# Altium PCB shield_display_4.3.PcbDoc (part 2 of 2)
Units mm, origin at the board's own origin, x right, y up, seen from the top; angles counter-clockwise.
Board outline 144.2 x 84.2 mm, 2 copper layers (Top Layer, Bottom Layer), stack 1.57 mm thick; 53 components, 150 nets, 337 pads, 233 vias.
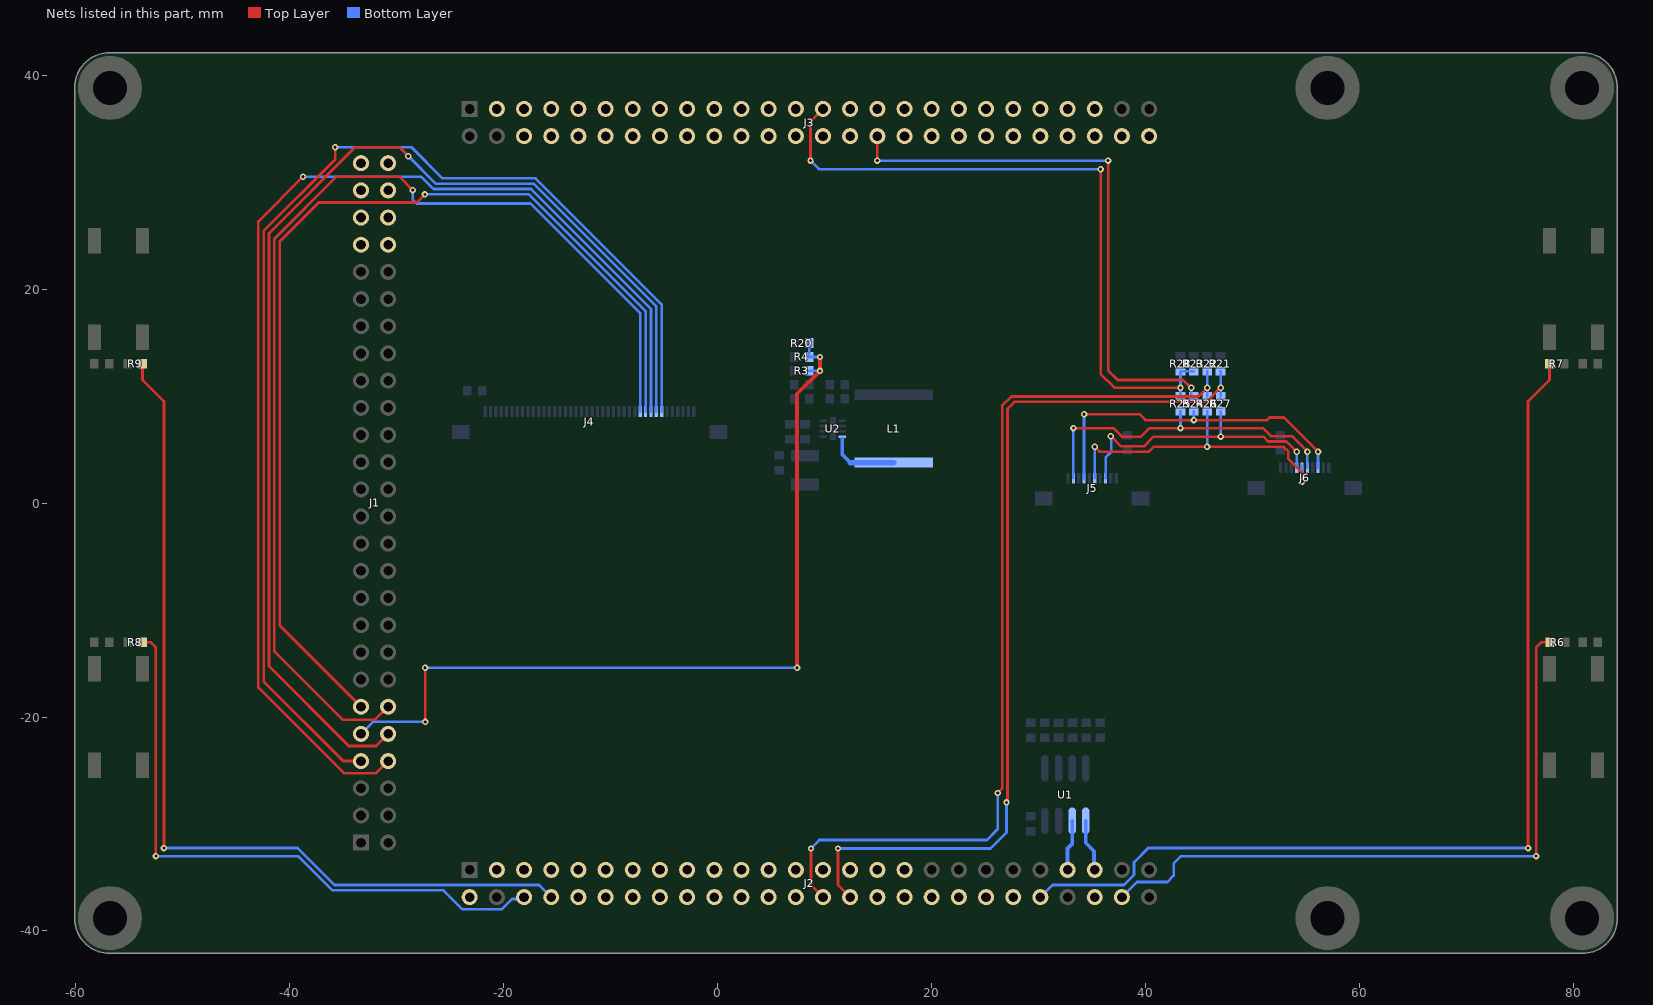
[diagram p2: the nets of this part, all layers, seen from the top]

## Via types
v1: diameter 0.6, hole 0.3, Top Layer to Bottom Layer, 180 vias
v2: diameter 0.35, hole 0.25, Top Layer to Bottom Layer, 53 vias

## Nets (pads, with @x,y where several pads share a name; then routed paths per layer and width w, separated by ;. In a path a pad name is that pad's centre, name@x,y a point inside that pad or via, vN(x,y) a via of type N, cw(c..) or ccw(c..) an arc to the next point about the centre after c; other vN are vias at no path point) (continued)
PA24_LCDPWM_PCK0_H5: J1.9 R3.2 R4.1 R20.1 | length 79.6
  Top Layer w0.25: v1(-27.336,-15.4) -27.336,-20.449 v1(-27.33,-20.455)
  Top Layer w0.35: v1(7.425,-15.4) 7.425,10.209 v1(9.567,12.35) v1(9.567,13.65)
  Bottom Layer w0.25: J1.9@-33.41,-21.5 J1.9@-33.33,-21.58 -32.205,-20.455 v1(-27.33,-20.455) ; v1(-27.336,-15.4) v1(7.425,-15.4) ; R3.2@8.567,12.35 v1(9.567,12.35) ; R20.1@8.567,14.95 R4.1@8.567,13.65 v1(9.567,13.65)
PA25_LCDDISP_TD0_F3: J1.11 J4.10 | length 96.6
  Top Layer w0.25: J1.11@-33.33,-19.04 -40.925,-11.445 -40.925,24.45 -37.28,28.095 -28.105,28.095 v1(-27.355,28.845)
  Bottom Layer w0.25: v1(-27.355,28.845) -17.638,28.845 -6.726,17.933 J4.10@-6.726,8.548
PA26_LCDVSYNC_PWMH0_SP1_NPCS1_E3: J1.10 J4.8 | length 110.6
  Top Layer w0.25: J1.10@-30.79,-21.58 -31.915,-22.705 -34.474,-22.705 -41.925,-15.254 -41.925,25.2 -33.875,33.25 -29.753,33.25 v1(-28.915,32.412)
  Bottom Layer w0.25: v1(-28.915,32.412) -26.348,29.845 -17.224,29.845 -5.726,18.347 J4.8@-5.726,8.548
PA27_LCDHSYNC_PWML0_SPI1_NPCS2_H4: J1.8 J4.9 | length 112.6
  Top Layer w0.25: v1(-38.75,30.5) -42.925,26.325 -42.925,-17.239 -34.914,-25.25 -31.92,-25.25 J1.8@-30.79,-24.12
  Bottom Layer w0.25: v1(-38.75,30.5) -27.71,30.5 -26.555,29.345 -17.431,29.345 -6.226,18.14 J4.9@-6.226,8.548
PA28_LCDPCK_PWMH1_SP1_NPCS3_G3: J1.12 J4.11 | length 103.9
  Top Layer w0.25: J1.12@-30.79,-19.04 -32,-20.25 -35.04,-20.25 -41.425,-13.865 -41.425,24.7 -35.625,30.5 -29.75,30.5 v1(-28.5,29.25)
  Bottom Layer w0.25: v1(-28.5,29.25) -28.5,28.354 -28.146,28 -17.5,28 -7.226,17.726 J4.11@-7.226,8.548
PA29_LCDDEN_PWML1_J5: J1.7 J4.7 | length 111.7
  Top Layer w0.25: v1(-35.75,33.25) -35.75,32.082 -42.425,25.407 -42.425,-16.685 -34.99,-24.12 J1.7@-33.33,-24.12
  Bottom Layer w0.25: v1(-35.75,33.25) -28.625,33.25 -25.72,30.345 -17.017,30.345 -5.226,18.555 J4.7@-5.226,8.548 ; J1.7@-33.45,-24 J1.7@-33.33,-24.12
PA30_TWD0_D3: J2.47 U1.5 | length 4.9
  Bottom Layer w0.35: U1.5@34.405,-29.7 34.405,-31.755 35.19,-32.54 35.19,-34.23 J2.47@35.25,-34.29
PA31_TWCK0_J4: J2.45 U1.6 | length 4.8
  Bottom Layer w0.35: J2.45@32.71,-34.29 32.71,-32.29 33.135,-31.865 U1.6@33.135,-29.7
PB1_G0_RXCK_SCK2_ISI_PCK_A2: J2.3
PB3_G0_TXER_CTS2_ISI_VSYNC_C2: J2.6 R8.2 | length 57.9
  Top Layer w0.25: R8.2@-53.8,-13 -53,-13 -52.5,-13.5 v1(-52.5,-33)
  Bottom Layer w0.25: v1(-52.5,-33) -39.207,-33 -36.002,-36.205 -25.625,-36.205 -23.875,-37.955 -20.164,-37.955 -19.215,-37.006 -18.266,-37.006 J2.6@-18.09,-36.83
PB4_G0_CRS_RXD2_ISI_HSYNC_J3: J2.14
PB5_G0_COL_TXD2_PCK2_H2: J2.12
PB10_G0_RX2_PCK2_PWML1_F1: J2.10
PB11_G0_RX3_RTS2_PWMH1_K4: J2.13
PB14_G0_TX2_SPI2_NPCS1_PWMH0_A1: J2.5
PB15_G0_TX3_SPI2_NPCS2_PWML0_E2: J2.7
PB18_SPI1_MISO_K2: J1.45
PB19_SPI1_MOSI_C1: J1.47
PB20_SPI1_SPCK__D1: J1.49
PB21_SPI1_NPCS0_L3: J2.15
PB22_SPI1_NPCS1_G1: J2.9
PB23_SPI1_NPCS2_H1: J1.51
PB24_DRXD_TDI_E1: J2.8 R9.2 | length 84.2
  Top Layer w0.25: R9.2@-53.75,13 -53.75,11.5 -51.75,9.5 v1(-51.75,-32.25)
  Bottom Layer w0.25: v1(-51.75,-32.25) -39.25,-32.25 -35.795,-35.705 -16.675,-35.705 J2.8@-15.55,-36.83
PB25_DTXD_TDO_J1: J2.11
PB26_PCK0_RK0_PWMH0_M5: J3.45
PB27_SPI1_NPCS3_TK0_PWML0_L2: J2.17
PB28_SPI2_NPCS3_TD0_PWMH1_K1: J2.16
PB29_TWD2_RD0_PWML1_M3: J2.42
PB30_TWCK2_RF0_M4: J2.34
PB31_TF0_L1: J2.18
PC0_SPI0_MISO_PWMH2_ISI_D8: J2.50 R6.2 | length 62
  Top Layer w0.25: v1(76.5,-33) 76.5,-13.5 77,-13 R6.2@77.8,-13
  Bottom Layer w0.25: J2.50@37.79,-36.83 39.205,-35.415 42.035,-35.415 42.625,-34.825 42.625,-33.675 43.3,-33 v1(76.5,-33)
PC1_SPI0_MOSI_PWML2_ISI_D9_P8: J3.43
PC2_SPI0_SPCK_PWMH3_ISI_D10_V5: J2.48
PC3_SPI0_NPCS0_PWML3_ISI_D11_T9: J3.40
PC4_SPI0_NPCS1_MCI0_CK_PCK1_W5: J3.33
PC19_ISI_D0_TK1_U14: J3.32 R24.2 | length 52.7
  Top Layer w0.25: v1(14.93,32) J3.32@14.93,34.29 ; v1(36.5,32) 36.5,12.4 37.4,11.5 43.496,11.5 44.221,10.776 v1(44.266,10.776)
  Bottom Layer w0.25: v1(14.93,32) v1(36.5,32) ; R24.2@44.266,9.976 v1(44.266,10.776)
PC20_ISI_D1_TF1_V11: J3.36
PC21_ISI_D2_TD1_U15: J3.27 R23.2 R25.2 R28.1 | length 63.5
  Top Layer w0.25: v1(8.68,32) 8.68,35.66 J3.27@9.85,36.83 ; v1(35.8,31.2) 35.8,12.076 37.1,10.776 v1(43.266,10.776)
  Bottom Layer w0.25: v1(8.68,32) 9.48,31.2 v1(35.8,31.2) ; R25.2@43.266,9.976 v1(43.266,10.776) R28.1@43.266,12.326 ; R28.1@43.266,12.326 R23.2@44.516,12.326
PC22_ISI_D3_RF1_T15: J3.41
PC23_ISI_D4_RD1_U16: J3.28
PC24_ISI_D5_RK1_PCK1_T16: J3.30
PC25_ISI_D6_TWD3_URXD1_V17: J3.16
PC26_ISI_D7_TWCK3_UTXD1_R16: J3.25
PC27_AD0_SPI0_NPCS1_PWML0_U12: J1.46
PC28_AD1_SPI0_NPCS2_PWML1_T11: J1.48
PC29_AD2_SPI0_NPCS3_PWMFI0_R13: J1.50
PC30_AD3_PWMH0_T12: J1.52
PC31_AD4_PWMH1_T13: J3.31
PD8_PCK0_M1: J2.20
PD9_FIQ_M2: J2.19
PD10_CTS0_N2: J2.23
PD11_RTS0_SPI2_MISO_N3: J2.24
PD12_RXD0_N1: J2.22
PD13_TXD0_SPI2_MOSI_P3: J2.25
PD14_CTS1_P2: J2.33
PD15_RTS1_SPI2_SPCK_N4: J3.47
PD16_RXD1_R2: J2.32
PD17_TXD1_SPI2_NPCS0_R3: J2.31
PD19_P11: J3.35
PD20_T10: J3.48
PD21_P10: J3.39
PD22_U11: J3.38
PD23_R10: J3.42
PD24_U10: J3.37
PD25_R11: J3.34
PD26_U13: J2.38
PD27_T14: J3.46
PD28_SCK0_R1: J2.27
PD29_SCK1_P1: J2.26
PD31_SPI0_NPCS2_PCK1_P5: J3.50
PE0_MCI0_CDB_CTS4_W19: J3.29
PE1_MCI0_DB0_U17: J3.20
PE2_MCI0_DB1_T17: J3.19
PE3_MCI0_DB2_P16: J3.22
PE4_MCI0_DB3_U18: J3.21
PE5_CTS3_R17: J3.18
PE6_TIOA3_V19: J3.13
PE7_TIOB3_PWMFI1_U19: J3.12
PE8_TCLK3_PWML3_T19: J3.24
PE9_TIOA2_T18: J3.11
PE10_TIOB2_N14: J3.44
PE11_TCLK2_R18: J3.7
PE12_TIOA1_PWMH2_P17: J3.15
PE13_TIOB1_PWML2_P18: J3.9
PE14_TCLK1_PWMH3_N17: J3.14
PE15_SCK3_TIOA0_N18: J3.6
PE16_RXD3_TIOB0_M15: J3.26
PE17_TXD3_TCLK0_N19: J3.5
PE24_RTS3_L19: J3.10
PE25_SCK4_IRQ_M17: J3.8
PE26_RXD4_L15: J3.23
PE27_TXD4_M16: J3.17
PE28_RTS4_L17: J3.3
PE29_DIBP_URXD0_TWD1_V1: J2.28 R22.2 R26.2 | length 85.2
  Top Layer w0.25: v1(8.725,-32.29) 8.725,-35.705 J2.28@9.85,-36.83 ; v1(26.18,-27.104) 26.6,-26.683 26.6,9.1 27.45,9.95 44.941,9.95 v1(45.766,10.776)
  Bottom Layer w0.25: v1(8.725,-32.29) 9.515,-31.5 25.17,-31.5 26.18,-30.49 v1(26.18,-27.104) ; R22.2@45.75,12.326 45.766,12.31 v1(45.766,10.776) R26.2@45.766,9.976
PE30_DIBN_UTXD0_TWCK1_U2: J2.30 R21.2 R27.2 | length 84.1
  Top Layer w0.25: v1(11.25,-32.29) 11.25,-35.69 J2.30@12.39,-36.83 ; v1(27,-27.986) 27.067,-27.919 27.067,-27.697 27.1,-27.664 27.1,8.807 27.743,9.45 45.691,9.45 v1(47.016,10.776)
  Bottom Layer w0.25: v1(11.25,-32.29) 25.51,-32.29 27,-30.8 v1(27,-27.986) ; R21.2@47,12.326 47.016,12.31 47.016,11.576 v1(47.016,10.776) R27.2@47.016,9.976
PE31_ADTRG_L4: J2.21
PIOBU0_U3: J2.40
PIOBU1: J3.52
RESET: J2.44 R7.2 | length 94.2
  Top Layer w0.25: v1(75.75,-32.25) 75.75,9.5 77.75,11.5 R7.2@77.75,13
  Bottom Layer w0.25: J2.44@30.17,-36.83 31.295,-35.705 37.966,-35.705 38.915,-34.756 38.915,-33.583 40.248,-32.25 v1(75.75,-32.25)
SHDN_T2: J2.29
SW: L1.1 U2.4 | length 6.7
  Bottom Layer w0.35: 11.642,6.05 11.642,4.525 12.392,3.775
  Bottom Layer w0.5: 12.392,3.775 L1.1@16.467,3.775
TOUCH_INT_PC9: J5.9 J6.5 R25.1 | length 31.2
  Top Layer w0.25: v1(33.25,7) 37,7 37.791,6.209 39.573,6.209 40.364,7 v1(43.266,7) 50.959,7 51.709,6.25 53.669,6.25 v1(55.12,4.799)
  Bottom Layer w0.25: J5.9@33.25,2.307 v1(33.25,7) ; v1(43.266,7) R25.1@43.266,8.576 ; J6.5@55.12,3.3 v1(55.12,4.799)
TOUCH_RESET: J5.7 J6.3 R24.1 | length 31.8
  Top Layer w0.25: v1(34.25,8.3) 39.45,8.3 40,7.75 v1(44.516,7.75) 51.35,7.75 51.6,8 52.919,8 v1(56.12,4.799)
  Bottom Layer w0.25: J5.7@34.25,2.307 v1(34.25,8.3) ; v1(44.516,7.75) R24.1@44.516,8.576 ; J6.3@56.12,3.3 v1(56.12,4.799)
TOUCH_SCL_PC7: J5.3 J6.7 R27.1 | length 26.8
  Top Layer w0.25: v1(36.75,6.25) 37.701,5.299 39.84,5.299 40.75,6.209 v1(47.016,6.209) 51,6.209 51.459,5.75 53.169,5.75 v1(54.12,4.799)
  Bottom Layer w0.25: J5.3@36.25,2.307 36.275,2.332 36.275,4.275 36.791,4.791 36.791,6.209 v1(36.75,6.25) ; v1(47.016,6.209) R27.1@47.016,8.576 ; J6.7@54.12,3.3 v1(54.12,4.799)
TOUCH_SDA_PC6: J5.5 J6.6 R26.1 | length 29.7
  Top Layer w0.25: v1(35.25,5.25) 35.701,4.799 40.299,4.799 40.75,5.25 v1(45.75,5.25) 52.892,5.25 53.343,4.799 53.343,4.124 54.62,2.847 v1(54.62,2)
  Bottom Layer w0.25: J5.5@35.25,2.307 v1(35.25,5.25) ; v1(45.75,5.25) R26.1@45.75,8.576 ; v1(54.62,2) J6.6@54.62,3.3 J6.6@54.62,3.499
VBATT: J2.2
WKUP_V3: J2.36
pads on no net: J1.2 J1.3 J1.5 J2.4 J2.49 J2.51 J3.2 J3.4 J4.1 J4.2 J4.3 J4.4 J4.6 J5.4 J5.6 J5.8 J6.1 J6.2 U2.3 U2.6

## Polygon pours and split planes (outlines as drawn)
GND on Bottom Layer "GND_BOT" (solid, remove dead copper, pour order 29): -56.8,-42.1 cw(c-56.8,-38.8) -60.1,-38.8 -60.1,38.8 cw(c-56.8,38.8) -56.8,42.1 80.8,42.1 cw(c80.8,38.8) 84.1,38.8 84.1,-38.8 cw(c80.8,-38.8) 80.8,-42.1 80.7,-42.1
SW on Bottom Layer "sw" (hatched 90Degree grid 0.25 track 0.25, remove dead copper, pour order 23): 11.1,6.3 18.95,6.3 21.15,6.3 21.15,1.4 11.1,1.4
GND on Top Layer "GND_TOP" (solid, remove dead copper, pour order 30): -56.8,-42.1 cw(c-56.8,-38.8) -60.1,-38.8 -60.1,38.8 cw(c-56.8,38.8) -56.8,42.1 80.8,42.1 cw(c80.8,38.8) 84.1,38.8 84.1,-38.8 cw(c80.8,-38.8) 80.8,-42.1 80.7,-42.1

## Keep-outs
Keep-Out Layer:
  lines w0.25: 80.7,42.1 -56.8,42.1 ccw(c-56.8,38.8) -60.1,38.8 -60.1,-38.8 ccw(c-56.8,-38.8) -56.8,-42.1 80.8,-42.1 ccw(c80.8,-38.8) 84.1,-38.8 84.1,38.8 ccw(c80.8,38.8) 80.8,42.1

## Silkscreen, mask and mechanical layers (free items; w line width, h text height)
Top Overlay:
  drawing of 16 lines, arcs and shapes, not listed
  text "EVA01 SHIELD" at -52.55,37.65 h5
  text "DISPLAY LCD 4.3''" at -52.55,34.45 h4
  text "develboard" at 78.368,12.5 h7 r270
  text "REV..prj_pcb" at 66.448,-39 h2
Bottom Overlay:
  drawing of 21 lines, arcs and shapes, not listed
  text "EVA01 SHIELD" at 51.5,26.8 h5
  text "DISPLAY LCD 4.3''" at 51.4,22.7 h4
  text "1 - GND / 2 - 3.3V / 3 - SCL / 4 - NC / 5 - SDA / 6 - NC / 7 - RESET / 8 - NC / 9 - INT / 10 - GND" at 21.2,9.7 h1.2 r270
  text "1 - NC / 2 - NC / 3 - RESET / 4 - GND / 5 - INT / 6 - SDA / 7 - SCL / 8 - GND / 9 - GND / 10 - 3.3V" at 49.5,9.7 h1.2 r270
  text "develboard" at 13.25,-18.718 h6
  text "---> / Display LCD Touch Flat" at -29.1,-20.5 h1.5 r270
  text "---> / Display LCD Flat  / --->" at 41.7,-23.3 h1.5 r270
  text "Autodetect" at 26.774,-24.2 h1.5
  text "EEPROM" at 26.774,-25.9 h1.5
  text ".prj_name / - .prj_status - / .prj_name_long" at -55.56,-36.593 h2.5 r270
  text "REV..prj_pcb" at 73.615,-39 h2
Top Solder:
  circle w0.328: c76.91,33.296 r0.41
  circle w0.328: c77.402,30.998 r0.41
  circle w0.328: c76.91,28.7 r0.41
  lines w0.41: 77.402,28.7 78.551,28.7 ; 77.402,33.296 78.551,33.296 ; 77.895,30.998 79.043,30.998 ; 79.7,30.505 79.7,31.49 ; 80.357,30.505 80.357,31.49 ; 78.551,27.551 78.551,29.849 80.685,29.849 80.685,27.551 78.551,27.551 ; 78.551,32.147 80.685,32.147 80.685,34.445 78.551,34.445 78.551,32.147 ; 82.162,27.551 82.162,34.445 82.49,34.445 82.49,27.551 82.162,27.551
  text "B" at 80.192,34.076 h2.46 r180
  text "D" at 80.192,29.48 h2.46 r180
Bottom Solder:
  circle w0.328: c76.859,33.296 r0.41
  circle w0.328: c77.351,30.998 r0.41
  circle w0.328: c76.859,28.7 r0.41
  lines w0.41: 77.351,28.7 78.5,28.7 ; 77.351,33.296 78.5,33.296 ; 77.843,30.998 78.992,30.998 ; 79.649,30.505 79.649,31.49 ; 80.305,30.505 80.305,31.49 ; 78.5,27.551 78.5,29.849 80.634,29.849 80.634,27.551 78.5,27.551 ; 78.5,32.147 80.634,32.147 80.634,34.445 78.5,34.445 78.5,32.147 ; 82.111,27.551 82.111,34.445 82.439,34.445 82.439,27.551 82.111,27.551
  text "D" at 80.141,32.515 h2.46
  text "B" at 80.141,27.92 h2.46
Outline:
  lines w0.2: 80.7,-42.1 -56.8,-42.1 cw(c-56.8,-38.8) -60.1,-38.8 -60.1,38.8 cw(c-56.8,38.8) -56.8,42.1 80.8,42.1 cw(c80.8,38.8) 84.1,38.8 84.1,-38.8 cw(c80.8,-38.8) 80.8,-42.1 ; -25.972,-13.1 4.028,-13.1 4.028,3.998 -25.972,3.998 -25.972,-13.1
  lines w0.25: 27.984,-14.4 27.984,-1.987 42,-1.987 42,-14.4 27.984,-14.4 ; 47.87,-15.5 61.886,-15.5 61.886,-0.912 47.87,-0.912 47.87,-15.5
Drawing:
  lines w0.2: 24.2,16 24.2,27 25.6,24.6 23,24.6 22.8,24.8 22.8,25.4 24.2,26.8 ; 80.7,-42.1 -56.8,-42.1 cw(c-56.8,-38.8) -60.1,-38.8 -60.1,38.8 cw(c-56.8,38.8) -56.8,42.1 80.8,42.1 cw(c80.8,38.8) 84.1,38.8 84.1,-38.8 cw(c80.8,-38.8) 80.8,-42.1 ; -25.972,-13.1 -25.972,3.998 4.028,3.998 4.028,-13.1 -25.972,-13.1
  lines w0.25: 27.984,-14.4 42,-14.4 42,-1.987 27.984,-1.987 27.984,-14.4 ; 47.87,-15.5 61.886,-15.5 61.886,-0.912 47.87,-0.912 47.87,-15.5
  text "DISPLAY 4.3''" at -20.5,27.9 h5
  text "UP" at 27.5,25 h5
  text "EVA01" at -51.5,-41.5 h5
  text "'.Layer_Name'" at 108.311,-132.45 h5
Top Assembly:
  text "'.Layer_Name'" at 102.483,-132.45 h5
Bottom Assembly:
  text "'.Layer_Name'" at -67.915,-132.379 h5
Top Note:
  text ".Layer_Name" at 107.04,-132.45 h5
Bottom Note:
  text ".Layer_Name" at -72.472,-132.379 h5
PCB Note:
  drawing of 284 lines, arcs and shapes, not listed
  text "A" at -179.801,138.55 h1.5
  text "B" at -147.801,138.55 h1.5
  text "C" at -118.315,138.55 h1.5
  text "D" at -88.829,138.55 h1.5
  text "E" at -59.344,138.55 h1.5
  text "F" at -29.858,138.55 h1.5
  text "G" at -0.373,138.55 h1.5
  text "H" at 29.019,138.55 h1.5
  text "I" at 58.504,138.55 h1.5
  text "J" at 87.99,138.55 h1.5
  text "K" at 117.656,138.55 h1.5
  text "L" at 147.142,138.55 h1.5
  text "M" at 176.627,138.55 h1.5
  text "N" at 206.113,138.55 h1.5
  text "10" at -191.801,128.55 h1.5 r90
  text "10" at 222.199,128.497 h1.5 r270
  text "Layer" at -47.612,123.456 h2
  text "Name" at -36.071,123.456 h2
  text "Material" at -10.646,123.456 h2
  text "Thickness" at 11.369,123.456 h2
  text "Constant" at 28.538,123.456 h2
  text "Gerber" at 44.897,123.456 h2
  text "Board Layer Stack" at 57.8,123.456 h2
  text "PCB Build Notes:" at -177.301,123.35 h3
  text "Top Overlay" at -36.071,119.456 h2
  text "GTO" at 44.897,119.456 h2
  text "Top Solder" at -36.071,115.456 h2
  text "Solder Resist" at -10.646,115.456 h2
  text "0,010mm" at 11.369,115.456 h2
  text "3,5" at 28.538,115.456 h2
  text "GTS" at 44.897,115.456 h2
  text "1" at -47.612,111.456 h2
  text "Top Layer" at -36.071,111.456 h2
  text "Copper" at -10.646,111.456 h2
  text "0,035mm" at 11.369,111.456 h2
  text "GTL" at 44.897,111.456 h2
  text "Dielectric1" at -36.071,107.456 h2
  text "FR-4" at -10.646,107.456 h2
  text "1,500mm" at 11.369,107.456 h2
  text "4,2" at 28.538,107.456 h2
  text "2" at -47.612,103.456 h2
  text "Bottom Layer" at -36.071,103.456 h2
  text "Copper" at -10.646,103.456 h2
  text "0,035mm" at 11.369,103.456 h2
  text "GBL" at 44.897,103.456 h2
  text "Bottom Solder" at -36.071,99.456 h2
  text "Solder Resist" at -10.646,99.456 h2
  text "0,010mm" at 11.369,99.456 h2
  text "3,5" at 28.538,99.456 h2
  text "GBS" at 44.897,99.456 h2
  text "9" at -191.801,98.938 h1.5 r90
  text "9" at 222.199,98.886 h1.5 r270
  text "Bottom Overlay" at -36.071,95.456 h2
  text "GBO" at 44.897,95.456 h2
  text "Total board thickness:" at -47.612,91.456 h2
  text "1,590mm" at 11.369,91.456 h2
  text "1. Layers: '.pcb_layer_count' / 2. Base Material: '.pcb_material' / 3. Plating Finish: '.pcb_finish' / 4. Silkscreen Color: '.pcb_silkscreen_color' / 5. Solder Color: '.pcb_solder_color' / 6. Stackup: '.pcb_stackup'" at -174.75,89.5 h2.5
  text "Other Notes:" at -177.551,81.25 h3
  text "None" at -174.451,76.064 h2.5
  text "8" at -191.801,69.327 h1.5 r90
  text "8" at 222.199,69.275 h1.5 r270
  text "7" at -191.801,39.716 h1.5 r90
  text "7" at 222.199,39.664 h1.5 r270
  text "6" at -191.801,10.105 h1.5 r90
  text "6" at 222.199,10.053 h1.5 r270
  text "CutOut" at -20.722,-1 h4
  text "CutOut" at 52.12,-8.268 h2 r90
  text "CutOut" at 32.234,-9.342 h2 r90
  text "5" at -191.801,-19.506 h1.5 r90
  text "5" at 222.199,-19.559 h1.5 r270
  text "4" at -191.801,-49.117 h1.5 r90
  text "4" at 222.199,-49.17 h1.5 r270
  text "3" at -191.801,-78.728 h1.5 r90
  text "3" at 222.199,-78.781 h1.5 r270
  text "2" at -191.801,-108.339 h1.5 r90
  text "2" at 222.199,-108.392 h1.5 r270
  text "Title: .prj_name_long" at 97.149,-121.95 h2.5
  text "Part No.: .prj_pn" at 164.131,-126.879 h1.8
  text "Board: .prj_name" at 97.199,-126.95 h2
  text "-  '.prj_status' -" at 136.699,-130.45 h2
  text "Variant: '.VariantName'" at 165.131,-130.95 h1.8
  text "'.Layer_Name'" at 106.295,-132.379 h5
  text "Author:" at 136.631,-134.879 h1.8
  text "Daniele Basile <asterix@develer.com>" at 155.631,-134.879 h1.8
  text "1" at -191.801,-137.95 h1.5 r90
  text "1" at 222.199,-138.003 h1.5 r270
  text "Approved by:" at 136.631,-138.879 h1.8
  text "Daniele Basile <asterix@develer.com>" at 155.631,-138.879 h1.8
  text "Prj Date: .prj_date" at 136.631,-142.879 h1.8
  text "Last Edit: '.Print_Date', '.Print_Time'" at 170.631,-142.879 h1.8
  text "PCB Revision: .prj_pcb" at 136.631,-146.879 h2
  text "'.Print_Scale'" at 170.631,-146.879 h2
  text "'.Print_Scale'" at 170.631,-146.879 h2
  text "PAGE SIZE A4" at 197.631,-146.879 h2
  text "PAGE SIZE A4" at 197.631,-146.879 h2
  text "A" at -179.801,-149.95 h1.5 r180
  text "B" at -147.801,-149.95 h1.5 r180
  text "C" at -118.315,-149.95 h1.5 r180
  text "D" at -88.829,-149.95 h1.5 r180
  text "E" at -59.344,-149.95 h1.5 r180
  text "F" at -29.858,-149.95 h1.5 r180
  text "G" at -0.373,-149.95 h1.5 r180
  text "H" at 29.019,-149.95 h1.5 r180
  text "I" at 58.504,-149.95 h1.5 r180
  text "J" at 87.99,-149.95 h1.5 r180
  text "K" at 117.656,-149.95 h1.5 r180
  text "L" at 147.142,-149.95 h1.5 r180
  text "M" at 176.627,-149.95 h1.5 r180
  text "N" at 206.113,-149.95 h1.5 r180
Top TitleBlock:
  lines w0.3: -194.834,-123.45 -189.834,-123.45 ; -194.834,-64.45 -189.834,-64.45 ; -194.801,-93.95 -189.834,-93.95 ; -194.801,-34.95 -189.834,-34.95 ; -194.801,-5.45 -189.695,-5.45 ; -194.801,24.05 -189.834,24.05 ; -194.801,53.517 -189.834,53.517 ; -194.801,82.985 -189.834,82.985 ; -194.801,83.05 -189.834,83.05 ; -194.801,112.517 -189.834,112.517 ; -161.801,-152.95 -161.801,-147.984 ; -161.801,137.083 -161.801,142.05 ; -132.301,-152.95 -132.301,-147.984 ; -132.301,137.083 -132.301,142.05 ; -102.801,-152.95 -102.801,-147.984 ; -102.801,137.083 -102.801,142.05 ; -73.301,-152.95 -73.301,-147.984 ; -73.301,137.083 -73.301,142.05 ; -43.801,-152.95 -43.801,-147.984 ; -43.801,137.083 -43.801,142.05 ; -14.301,-152.95 -14.301,-147.984 ; -14.301,137.083 -14.301,142.05 ; 15.199,-152.95 15.199,-147.845 ; 15.199,136.944 15.199,142.05 ; 44.699,-152.95 44.699,-147.984 ; 44.699,137.083 44.699,142.05 ; 74.199,-152.95 74.199,-147.984 ; 74.199,137.083 74.199,142.05 ; 96.631,-133.2 135.631,-133.45 ; 96.631,-127.879 135.631,-127.879 ; 103.699,-152.95 103.699,-147.984 ; 103.699,137.083 103.699,142.05 ; 133.199,-152.95 133.199,-147.984 ; 133.199,137.083 133.199,142.05 ; 135.631,-147.95 135.631,-127.879 ; 135.631,-139.879 220.199,-139.958 ; 135.631,-135.879 220.199,-135.966 ; 135.631,-131.879 220.199,-131.958 ; 161.631,-131.873 161.631,-123.444 ; 162.699,-152.95 162.699,-147.984 ; 162.699,137.083 162.699,142.05 ; 169.631,-147.879 169.631,-139.879 ; 192.199,-152.95 192.199,-147.984 ; 192.199,137.083 192.199,142.05 ; 195.544,-147.95 195.544,-143.95 ; 220.094,-5.45 225.199,-5.45 ; 220.166,-123.404 225.166,-123.404 ; 220.166,-64.404 225.166,-64.404 ; 220.199,-127.958 135.631,-127.879 ; 220.199,-93.904 225.166,-93.904 ; 220.199,-34.904 225.166,-34.904 ; 220.199,24.096 225.166,24.096 ; 220.199,53.564 225.166,53.564 ; 220.199,83.032 225.166,83.032 ; 220.199,83.096 225.166,83.096 ; 220.199,112.564 225.166,112.564 ; -189.694,-5.45 -192.373,-4.129 -191.435,-5.45 -192.373,-6.629 -189.694,-5.45 ; -194.801,-152.95 225.199,-152.95 225.199,142.05 -194.801,142.05 -194.801,-152.95 ; -189.801,-147.95 220.199,-147.95 220.199,137.05 -189.801,137.05 -189.801,-147.95 ; 13.878,-150.523 15.199,-149.584 16.378,-150.523 15.199,-147.844 13.878,-150.523 ; 14.021,139.622 15.199,136.943 16.521,139.622 15.199,138.684 14.021,139.622 ; 135.699,-143.95 220.199,-143.95 135.699,-143.95 ; 220.093,-5.45 222.772,-4.272 221.833,-5.45 222.772,-6.772 220.093,-5.45
  lines w0.4: 96.631,-147.95 96.631,-118.45 220.199,-118.45 ; 96.631,-123.45 220.199,-123.45
  text "A" at -179.801,138.55 h1.5
  text "B" at -147.801,138.55 h1.5
  text "C" at -118.315,138.55 h1.5
  text "D" at -88.829,138.55 h1.5
  text "E" at -59.344,138.55 h1.5
  text "F" at -29.858,138.55 h1.5
  text "G" at -0.373,138.55 h1.5
  text "H" at 29.019,138.55 h1.5
  text "I" at 58.504,138.55 h1.5
  text "J" at 87.99,138.55 h1.5
  text "K" at 117.656,138.55 h1.5
  text "L" at 147.142,138.55 h1.5
  text "M" at 176.627,138.55 h1.5
  text "N" at 206.113,138.55 h1.5
  text "10" at -191.801,128.55 h1.5 r90
  text "10" at 222.199,128.497 h1.5 r270
  text "9" at -191.801,98.938 h1.5 r90
  text "9" at 222.199,98.886 h1.5 r270
  text "8" at -191.801,69.327 h1.5 r90
  text "8" at 222.199,69.275 h1.5 r270
  text "7" at -191.801,39.716 h1.5 r90
  text "7" at 222.199,39.664 h1.5 r270
  text "6" at -191.801,10.105 h1.5 r90
  text "6" at 222.199,10.053 h1.5 r270
  text "5" at -191.801,-19.506 h1.5 r90
  text "5" at 222.199,-19.559 h1.5 r270
  text "4" at -191.801,-49.117 h1.5 r90
  text "4" at 222.199,-49.17 h1.5 r270
  text "3" at -191.801,-78.728 h1.5 r90
  text "3" at 222.199,-78.781 h1.5 r270
  text "2" at -191.801,-108.339 h1.5 r90
  text "2" at 222.199,-108.392 h1.5 r270
  text "Title: .prj_name_long" at 97.149,-121.95 h2.5
  text "Part No.: .prj_pn" at 164.131,-126.879 h1.8
  text "Board: .prj_name" at 97.199,-126.95 h2
  text "-  '.prj_status' -" at 136.699,-130.45 h2
  text "Variant: '.VariantName'" at 165.131,-130.95 h1.8
  text "Author:" at 136.631,-134.879 h1.8
  text "Daniele Basile <asterix@develer.com>" at 155.631,-134.879 h1.8
  text "1" at -191.801,-137.95 h1.5 r90
  text "1" at 222.199,-138.003 h1.5 r270
  text "Approved by:" at 136.631,-138.879 h1.8
  text "Daniele Basile <asterix@develer.com>" at 155.631,-138.879 h1.8
  text "Prj Date: .prj_date" at 136.631,-142.879 h1.8
  text "Last Edit: '.Print_Date', '.Print_Time'" at 170.631,-142.879 h1.8
  text "PCB Revision: .prj_pcb" at 136.631,-146.879 h2
  text "'.Print_Scale'" at 170.631,-146.879 h2
  text "PAGE SIZE A4" at 197.631,-146.879 h2
  text "A" at -179.801,-149.95 h1.5 r180
  text "B" at -147.801,-149.95 h1.5 r180
  text "C" at -118.315,-149.95 h1.5 r180
  text "D" at -88.829,-149.95 h1.5 r180
  text "E" at -59.344,-149.95 h1.5 r180
  text "F" at -29.858,-149.95 h1.5 r180
  text "G" at -0.373,-149.95 h1.5 r180
  text "H" at 29.019,-149.95 h1.5 r180
  text "I" at 58.504,-149.95 h1.5 r180
  text "J" at 87.99,-149.95 h1.5 r180
  text "K" at 117.656,-149.95 h1.5 r180
  text "L" at 147.142,-149.95 h1.5 r180
  text "M" at 176.627,-149.95 h1.5 r180
  text "N" at 206.113,-149.95 h1.5 r180
Bottom TitleBlock:
  lines w0.3: -194.801,-5.45 -189.695,-5.45 ; -194.767,-123.404 -189.767,-123.404 ; -194.767,-93.904 -189.801,-93.904 ; -194.767,-64.404 -189.767,-64.404 ; -194.767,-34.904 -189.801,-34.904 ; -194.767,24.096 -189.801,24.096 ; -194.767,53.564 -189.801,53.564 ; -194.767,83.032 -189.801,83.032 ; -194.767,83.096 -189.801,83.096 ; -194.767,112.564 -189.801,112.564 ; -189.801,-139.958 -105.232,-139.879 ; -189.801,-135.966 -105.232,-135.879 ; -189.801,-131.958 -105.232,-131.879 ; -189.801,-127.958 -105.232,-127.879 ; -165.145,-147.95 -165.145,-143.95 ; -161.847,-152.917 -161.847,-147.95 ; -161.847,137.05 -161.847,142.016 ; -139.232,-147.879 -139.232,-139.879 ; -132.347,-152.917 -132.347,-147.95 ; -132.347,137.05 -132.347,142.016 ; -131.232,-131.873 -131.232,-123.444 ; -105.232,-147.95 -105.232,-127.879 ; -105.232,-133.45 -66.232,-133.2 ; -102.847,-152.917 -102.847,-147.95 ; -102.847,137.05 -102.847,142.016 ; -73.347,-152.917 -73.347,-147.95 ; -73.347,137.05 -73.347,142.016 ; -66.232,-127.879 -105.232,-127.879 ; -43.847,-152.917 -43.847,-147.95 ; -43.847,137.05 -43.847,142.016 ; -14.347,-152.917 -14.347,-147.95 ; -14.254,137.05 -14.254,142.016 ; 15.199,-152.95 15.199,-147.845 ; 15.199,136.944 15.199,142.05 ; 44.653,-152.917 44.653,-147.95 ; 44.746,137.05 44.746,142.016 ; 74.246,-152.917 74.246,-147.95 ; 74.246,137.05 74.246,142.016 ; 103.746,-152.917 103.746,-147.95 ; 103.746,137.05 103.746,142.016 ; 133.246,-152.917 133.246,-147.95 ; 133.246,137.05 133.246,142.016 ; 162.746,-152.917 162.746,-147.95 ; 162.746,137.05 162.746,142.016 ; 192.246,-152.917 192.246,-147.95 ; 192.246,137.05 192.246,142.016 ; 220.094,-5.45 225.199,-5.45 ; 220.233,-123.45 225.233,-123.45 ; 220.233,-93.95 225.199,-93.95 ; 220.233,-64.45 225.233,-64.45 ; 220.233,-34.95 225.199,-34.95 ; 220.233,24.05 225.199,24.05 ; 220.233,53.517 225.199,53.517 ; 220.233,82.985 225.199,82.985 ; 220.233,83.05 225.199,83.05 ; 220.233,112.517 225.199,112.517 ; -189.694,-5.45 -192.373,-4.272 -191.435,-5.45 -192.373,-6.772 -189.694,-5.45 ; -194.801,-152.95 -194.801,142.05 225.199,142.05 225.199,-152.95 -194.801,-152.95 ; -189.801,-147.95 220.199,-147.95 220.199,137.05 -189.801,137.05 -189.801,-147.95 ; -189.801,-143.95 -105.301,-143.95 -189.801,-143.95 ; 13.878,139.622 15.199,136.943 16.378,139.622 15.199,138.684 13.878,139.622 ; 14.021,-150.523 15.199,-149.584 16.521,-150.523 15.199,-147.844 14.021,-150.523 ; 220.093,-5.45 222.772,-4.129 221.833,-5.45 222.772,-6.629 220.093,-5.45
  lines w0.4: -189.801,-123.45 -66.232,-123.45 ; -189.801,-118.45 -66.232,-118.45 -66.232,-147.95
  text "N" at -178.301,138.55 h1.5
  text "M" at -146.229,138.55 h1.5
  text "L" at -116.743,138.55 h1.5
  text "K" at -87.257,138.55 h1.5
  text "J" at -57.591,138.55 h1.5
  text "I" at -28.105,138.55 h1.5
  text "H" at 1.38,138.55 h1.5
  text "G" at 30.771,138.55 h1.5
  text "F" at 60.257,138.55 h1.5
  text "E" at 89.743,138.55 h1.5
  text "D" at 119.228,138.55 h1.5
  text "C" at 148.714,138.55 h1.5
  text "B" at 178.199,138.55 h1.5
  text "A" at 207.699,138.55 h1.5
  text "10" at 222.199,128.55 h1.5 r270
  text "10" at -191.801,128.497 h1.5 r90
  text "9" at 222.199,98.938 h1.5 r270
  text "9" at -191.801,98.886 h1.5 r90
  text "8" at 222.199,69.327 h1.5 r270
  text "8" at -191.801,69.275 h1.5 r90
  text "7" at 222.199,39.716 h1.5 r270
  text "7" at -191.801,39.664 h1.5 r90
  text "6" at 222.199,10.105 h1.5 r270
  text "6" at -191.801,10.053 h1.5 r90
  text "5" at 222.199,-19.506 h1.5 r270
  text "5" at -191.801,-19.559 h1.5 r90
  text "4" at 222.199,-49.117 h1.5 r270
  text "4" at -191.801,-49.17 h1.5 r90
  text "3" at 222.199,-78.728 h1.5 r270
  text "3" at -191.801,-78.781 h1.5 r90
  text "2" at 222.199,-108.339 h1.5 r270
  text "2" at -191.801,-108.392 h1.5 r90
  text "Title: .prj_name_long" at -66.751,-121.95 h2.5
  text "Part No.: .prj_pn" at -133.732,-126.879 h1.8
  text "Board: .prj_name" at -66.801,-126.95 h2
  text "-  '.prj_status' -" at -106.301,-130.45 h2
  text "Variant: '.VariantName'" at -134.732,-130.95 h1.8
  text "Daniele Basile <asterix@develer.com>" at -125.232,-134.879 h1.8
  text "Author:" at -106.232,-134.879 h1.8
  text "1" at 222.199,-137.95 h1.5 r270
  text "1" at -191.801,-138.003 h1.5 r90
  text "Daniele Basile <asterix@develer.com>" at -125.232,-138.879 h1.8
  text "Approved by:" at -106.232,-138.879 h1.8
  text "Last Edit: '.Print_Date', '.Print_Time'" at -140.232,-142.879 h1.8
  text "Prj Date: .prj_date" at -106.232,-142.879 h1.8
  text "PAGE SIZE A4" at -167.232,-146.879 h2
  text "'.Print_Scale'" at -140.232,-146.879 h2
  text "PCB Revision: .prj_pcb" at -106.232,-146.879 h2
  text "N" at -178.301,-149.95 h1.5 r180
  text "M" at -146.229,-149.95 h1.5 r180
  text "L" at -116.743,-149.95 h1.5 r180
  text "K" at -87.257,-149.95 h1.5 r180
  text "J" at -57.591,-149.95 h1.5 r180
  text "I" at -28.105,-149.95 h1.5 r180
  text "H" at 1.38,-149.95 h1.5 r180
  text "G" at 30.771,-149.95 h1.5 r180
  text "F" at 60.257,-149.95 h1.5 r180
  text "E" at 89.743,-149.95 h1.5 r180
  text "D" at 119.228,-149.95 h1.5 r180
  text "C" at 148.714,-149.95 h1.5 r180
  text "B" at 178.199,-149.95 h1.5 r180
  text "A" at 207.699,-149.95 h1.5 r180
Drawing2:
  drawing of 1948 lines, arcs and shapes, not listed
Drawing3:
  lines w0.15: -60.1,38.7 -60.1,34.007 -40.5,34.007 ; -12,-11.996 -12,14.257 ; -1.5,-33.993 -22.5,10 ; 7.5,0.007 16,0.007 ; 12,-2.743 12,1.757 ; 25.5,-33.993 25.5,-16.793 -1.5,-16.793 -1.5,10 ; 30.5,-33.993 30.5,-14.993 41.5,-14.993 41.5,-33.993 ; 32.5,-33.993 32.5,3.007 ; 32.5,-14.993 37.5,3.007 ; 35,-5.993 35,5.257 ; 37.5,-14.993 32.5,3.007 ; 54.87,-5.963 54.87,6.257 ; 57.37,-33.963 57.37,-15.963 ; 84.1,38.7 84.1,34.007 64.5,34.007 ; -40.5,-33.993 64.5,-33.993 ; -40.5,-33.993 -40.5,34.007 ; -40.5,-33.993 64.5,34.007 ; -40.5,34.007 64.5,34.007 ; -40.5,34.007 64.5,-33.993 ; -22.5,10 -22.5,-33.993 -1.5,10 ; -22.5,10 -1.5,10 ; 32.5,3.007 37.5,3.007 ; 37.5,3.007 37.5,-33.993 37.5,-15.963 57.37,-15.963 ; 52.37,4.037 57.37,4.037 ; 52.37,4.037 52.37,-15.963 57.37,4.037 ; 52.37,4.037 57.37,-15.963 ; 57.37,-15.963 57.37,4.037 ; 64.5,-33.993 64.5,34.007
  text "DISPLAY Active View TOP" at 24.4,31.407 h2
Drawing4:
  lines w0.15: -38,60.993 -38,29.993 39,29.993 39,-10.007 ; 22,60.993 22,17.993 ; 25,-11.007 25,4.993 ; 39,60.993 59,-10.007 ; 42,60.993 42,17.993 22,17.993 ; 49,-14.007 49,25.493 ; -87,-39.007 79,60.993 ; -87,-39.007 79,-39.007 ; -87,-39.007 -87,60.993 ; -87,60.993 79,-39.007 ; -87,60.993 79,60.993 ; 22,-8.007 28,17.993 28,-8.007 ; 22,-8.007 28,-8.007 ; 22,-8.007 22,17.993 ; 22,17.993 28,-8.007 ; 39,-10.007 59,60.993 59,-10.007 ; 39,-10.007 59,-10.007 ; 79,-39.007 79,60.993
  text "DISPLAY Active View TOP" at -48.4,-36.407 h2 r180

## Dimensions
-56.8,38.8 to -65.1,44.3 on Drawing
-56.8,-38.8 to -56.8,38.8 on Drawing
-56.8,38.8 to 80.8,38.8 on Drawing
80.7,-42.1 to 80.8,42.1 on Drawing
-60.1,-38.8 to 84.1,-38.8 on Drawing
47.87,-15.5 to 61.87,-15.5 on PCB Note
61.87,-15.5 to 61.87,-0.956 on PCB Note
-25.972,-13 to 4.028,-13 on PCB Note
4.028,4 to 4.028,-13 on PCB Note
41.984,-14.4 to 41.984,-2.03 on PCB Note
27.984,-14.4 to 41.984,-14.4 on PCB Note

## Text inside footprints (layer, text, board x,y; h text height)
J1: Bottom Assembly "16" at -31.36,-14.45 h2 r270; Bottom Assembly "1" at -33.86,-31.85 h2 r270; Drawing "51" at -34.36,32.21 h1 r270; Drawing "52" at -30.36,32.01 h1 r270; Drawing "2" at -31.56,-32.85 h1 r270; Drawing "1" at -34.06,-32.85 h1 r270; Bottom Note "1" at -33.86,-31.85 h2 r270; Bottom Note "16" at -31.36,-14.45 h2 r270; Bottom Overlay "2" at -30.86,-34.75 h2 r270; Bottom Overlay "52" at -30.89,33.7 h2 r270; Bottom Overlay "1" at -34.56,-34.45 h2 r270; Bottom Overlay "51" at -34.7,33.7 h2 r270
J2: Bottom Assembly "16" at -5.88,-36.26 h2 r180; Bottom Assembly "1" at -23.28,-33.76 h2 r180; Drawing "51" at 40.78,-33.26 h1 r180; Drawing "52" at 40.58,-37.26 h1 r180; Drawing "2" at -24.28,-36.06 h1 r180; Drawing "1" at -24.28,-33.56 h1 r180; Bottom Note "1" at -23.28,-33.76 h2 r180; Bottom Note "16" at -5.88,-36.26 h2 r180; Bottom Overlay "2" at -26.18,-36.76 h2 r180; Bottom Overlay "52" at 42.27,-36.73 h2 r180; Bottom Overlay "1" at -25.88,-33.06 h2 r180; Bottom Overlay "51" at 42.27,-32.92 h2 r180
J3: Bottom Assembly "16" at -5.88,34.86 h2 r180; Bottom Assembly "1" at -23.28,37.36 h2 r180; Drawing "51" at 40.78,37.86 h1 r180; Drawing "52" at 40.58,33.86 h1 r180; Drawing "2" at -24.28,35.06 h1 r180; Drawing "1" at -24.28,37.56 h1 r180; Bottom Note "1" at -23.28,37.36 h2 r180; Bottom Note "16" at -5.88,34.86 h2 r180; Bottom Overlay "2" at -26.18,34.36 h2 r180; Bottom Overlay "52" at 42.27,34.39 h2 r180; Bottom Overlay "1" at -25.88,38.06 h2 r180; Bottom Overlay "51" at 42.27,38.2 h2 r180
J4: Bottom Assembly "1" at -1.776,6.398 h1.5; Bottom Note "1" at -1.776,6.398 h1.5; Bottom Overlay "1" at -1.376,8.548 h0.8; Bottom Overlay "40" at 0.949,8.75 h0.8
J5: Bottom Assembly "1" at 38.25,1.307 h1.5; Bottom Note "1" at 38.25,1.307 h1.5; Bottom Overlay "10" at 32,2.307 h0.8; Bottom Overlay "1" at 38.7,2.407 h0.8
J6: Bottom Assembly "1" at 58.12,2.3 h1.5; Bottom Note "1" at 58.12,2.3 h1.5; Bottom Overlay "1" at 58.57,3.4 h0.8; Bottom Overlay "10" at 51.87,3.3 h0.8